# KiCad board 8851_HW-U1-VCU118_REV2-0_071417.kicad_pcb (continued)
## Routing (per net, layer and track width the routed paths; a pad name or vN(x,y) marks a point on that pad's centre or on a via; arc(x,y) is an arc through that point) (continued)
  05_SIG2 w0.258: v3(84.87,115.47) 85.11,115.47 85.6,115.97 88.31,115.97 v2(88.81,116.46)
  05_SIG2 w0.287: 97.17,107.91 97.17,105.85 99.5,103.52 99.5,101.2 98.75,100.45 98.75,96.77 99.55,95.97 99.55,91.07 97.18,88.7 97.18,88
  07_SIG3 w0.17: 83.12,122.64 83.12,122.57 83.18,122.51 83.18,120.39 83.3,120.27 83.45,120.27 83.97,120.8 84.15,120.8 84.28,120.67 84.28,120.55 84.03,120.31 84.03,120.09 84.23,119.89 84.23,119.76 84.05,119.58 83.84,119.58 83.64,119.79 83.51,119.79 83.39,119.66 83.39,119.18 83.46,119.11 84.29,119.11 84.53,118.87 84.53,118.45 84.61,118.37 84.84,118.37 84.95,118.26 84.95,118.01 84.86,117.92 84.64,117.92 84.56,117.84 84.56,117.53 84.63,117.45 84.86,117.45 84.93,117.39 84.93,117.16 84.83,117.06 84.61,117.06 84.53,116.97 84.53,116.52 85.37,115.68 85.37,115.26 85.66,114.97 88.99,114.97 89.24,115.23 89.24,115.76 89.1,115.91 88.53,115.91 88.31,116.12 88.31,119.77 88.49,119.95 88.95,119.95 89.3,119.6 89.3,116.95 v2(88.81,116.46) ; 79.55,122.85 79.55,122.56 79.44,122.45 79.2,122.45 79.08,122.33 79.08,121.9 79.21,121.77 79.44,121.77 79.55,121.67 79.55,121 79.29,120.74 78.87,120.74 78.55,120.42 78.55,119.95 78.35,119.75 75.9,119.75 75.61,119.47 75.61,118.76 v2(76.1,118.27)
  07_SIG3 w0.287: 79.55,122.85 79.55,123.2 79.77,123.42 82.68,123.42 83.12,122.98 83.12,122.64
RLD3_C3_72B_A3: length 161.6
  TOP w0.15: 95.21,71.2 v2(94.72,71.7) ; 75.61,112.86 v2(76.1,112.37) ; U141.F9 v2(94.71,116.46)
  TOP w0.275: v3(93.25,123.05) 93,123.3 93,123.64
  03_SIG1 w0.17: v2(94.71,116.46) 94.71,116.76 94.22,117.25 94.22,117.67 94.48,117.94 94.91,117.94 95.2,118.23 95.2,122.22 94.95,122.47 94.4,122.47 94.32,122.39 94.32,122.14 94.23,122.05 94.05,122.05 93.88,122.22 93.47,122.22 93.23,121.98 93.23,121.1 93.44,120.89 94.11,120.89 94.22,120.78 94.22,120.05 94.08,119.9 93.45,119.9 93.1,119.55 93.1,117.35 93.5,116.95 93.98,116.95 94.22,116.71 94.22,116.22 93.95,115.96 93.28,115.96 92.99,115.66 92.99,115.25 92.57,114.83 92.57,112.32 92.28,112.03 88.56,112.03 88.31,111.78 88.31,111.28 88.08,111.05 86.65,111.05 86.35,111.35 86.35,111.74 86.06,112.03 85.55,112.03 85.18,112.4 84.7,112.4 84.08,113.01 83.53,113.01 83.33,112.8 83.33,112.55 83.2,112.42 82.9,112.42 82.75,112.58 82.75,112.88 82.62,113.01 82.41,113.01 82.26,112.86 76.6,112.86 v2(76.1,112.37)
  05_SIG2 w0.17: 76.6,107.1 76.6,109.67 76.83,109.91 77.33,109.91 77.58,110.16 77.58,110.6 77.87,110.89 80.43,110.89 80.53,110.99 80.53,114.72 80.45,114.8 80.25,114.8 80.16,114.71 80.16,113.98 80.07,113.89 79.87,113.89 79.79,113.98 79.79,114.71 79.7,114.8 79.5,114.8 79.41,114.71 79.41,113.98 79.32,113.89 79.12,113.89 79.04,113.98 79.04,114.71 78.95,114.8 78.75,114.8 78.66,114.71 78.66,113.98 78.57,113.89 78.37,113.89 78.29,113.98 78.29,114.71 78.2,114.8 77.75,114.8 77.58,114.63 77.58,111.13 77.34,110.89 76.74,110.89 76.6,110.75 76.6,110.2 76.31,109.91 75.84,109.91 75.61,110.14 75.61,111.88 v2(76.1,112.37) ; v2(94.72,71.7) 94.72,71.9 94.23,72.4 94.23,72.93 94.47,73.17 94.89,73.17 95.21,73.5 95.21,74 95.39,74.17 95.92,74.17 96.22,74.47 96.22,74.9 96.5,75.17 96.9,75.17 97.2,75.47 97.2,75.88 97.47,76.15 97.85,76.15 98.17,76.47 98.17,76.88 98.41,77.11 103.91,77.11 104.1,76.91 104.1,76.35 104.35,76.1 104.88,76.1 105.05,76.27 105.05,77.77 104.73,78.1 98.3,78.1 98.15,78.25 98.15,78.77 97.85,79.08 97.38,79.08 97.18,79.27 97.18,79.93 97.05,80.06 96.42,80.06 96.2,80.29 96.2,80.85 95.95,81.1 95.45,81.1 95.21,81.33 95.21,81.84 95.02,82.03 94.57,82.03 94.23,82.37 94.23,82.77 93.99,83.01 93.36,83.01 93.25,83.13 93.25,86.7 93.8,87.25
  05_SIG2 w0.287: 76.6,107.1 76.6,107.09 76.85,106.84 84.42,106.84 84.64,106.62 84.64,106.4 84.42,106.18 84.42,105.96 84.64,105.75 84.86,105.75 85.08,105.96 85.3,105.96 85.52,105.74 85.52,105.52 85.31,105.32 85.31,105.1 85.84,104.57 86.06,104.57 86.27,104.77 86.49,104.77 87.06,104.2 87.65,104.2 87.8,104.05 87.8,103.28 87.96,103.12 88.27,103.12 88.42,103.28 88.42,104.05 88.58,104.2 95.01,104.2 95.78,103.44 95.78,102.33 94.17,100.72 93.7,100.72 93.53,100.55 93.53,99.23 94.39,98.37 94.39,96.49 94.94,95.94 94.94,90.68 93.92,89.66 93.92,87.38 93.8,87.25
  07_SIG3 w0.258: v3(93.25,123.05) 93.25,123.41 93.54,123.7 94.5,123.7 95.2,123 95.2,116.95 v2(94.71,116.46)
RLD3_C3_72B_A4: length 159.3
  TOP w0.15: 96.2,71.2 v2(95.71,71.7) ; U141.F10 v2(95.7,116.46) ; 75.61,111.88 v2(76.1,111.38)
  TOP w0.237: 100.34,113.73 99.86,113.73 v2(99.64,113.51)
  TOP w0.375: v2(123.26,85.48) U1.C30
  03_SIG1 w0.17: v2(95.7,116.46) 95.7,116.72 96.19,117.21 96.19,117.66 95.91,117.94 95.45,117.94 95.2,117.69 95.2,116.08 95.09,115.97 94.47,115.97 94.22,115.72 94.22,115.29 93.83,114.9 93.3,114.9 92.92,114.52 92.92,112.02 92.67,111.78 92.67,111.52 92.8,111.4 93.2,111.4 93.29,111.3 93.29,111.06 93.2,110.97 92.33,110.97 92.24,110.89 92.24,110.63 92.34,110.53 93,110.53 93.11,110.43 93.11,110.16 93.01,110.06 91.43,110.06 91.27,110.23 91.27,110.86 91.08,111.05 90.47,111.05 90.28,110.86 90.28,110.21 90.15,110.07 89.5,110.07 89.3,110.28 89.3,110.83 89.08,111.05 88.61,111.05 88.31,110.75 88.31,110.21 88.17,110.06 85.43,110.06 85.3,110.18 85.3,111.77 85.21,111.86 84.54,111.86 84.42,111.74 84.42,111.56 84.53,111.45 84.8,111.45 84.93,111.33 84.93,110.16 84.84,110.07 84.6,110.07 84.47,110.2 84.47,110.9 84.33,111.05 83.62,111.05 83.39,110.81 83.14,110.81 82.97,110.98 82.97,111.22 83.35,111.6 83.35,111.85 83.22,111.97 82.98,111.97 82.83,111.83 82.83,111.73 82.71,111.61 82.54,111.61 82.27,111.88 76.27,111.88 76.1,111.71 v2(76.1,111.38)
  05_SIG2 w0.17: 94.63,87.47 94.63,87.08 94.23,86.68 94.23,83.27 94.48,83.01 95.09,83.01 95.21,82.89 95.21,82.38 95.56,82.03 96.05,82.03 96.2,81.89 96.2,81.28 96.43,81.05 97.05,81.05 97.18,80.92 97.18,80.41 97.53,80.06 97.96,80.06 98.17,79.86 98.17,79.27 98.36,79.08 104.85,79.08 105.06,78.87 105.06,78.27 105.22,78.1 105.67,78.1 106.05,77.72 106.05,75.38 105.83,75.15 104.2,75.15 104.05,75.3 104.05,75.95 103.88,76.12 98.4,76.12 98.15,75.88 98.15,75.5 97.85,75.2 97.5,75.2 97.2,74.9 97.2,74.5 96.88,74.17 96.45,74.17 96.2,73.92 96.2,73.47 95.9,73.17 95.5,73.17 95.21,72.89 95.21,72.49 95.71,71.99 v2(95.71,71.7) ; v2(76.1,111.38) 76.6,111.88 76.6,114.24 76.67,114.32 77.12,114.32 77.21,114.4 77.21,114.68 77.12,114.77 76.67,114.77 76.6,114.84 76.6,115.65 76.76,115.81 81.36,115.81 81.52,115.66 81.52,114.72 81.62,114.62 82.07,114.62 82.16,114.53 82.16,114.31 82.07,114.22 81.62,114.22 81.52,114.12 81.52,110.18 81.25,109.91 77.82,109.91 77.58,109.67 77.58,108.1 77.74,107.94 83.04,107.94 83.6,107.38 85.67,107.38 86.3,106.75
  05_SIG2 w0.287: 86.3,106.75 86.85,106.2 86.85,105.46 87.42,104.88 95.29,104.88 96.8,103.38 96.8,102.33 94.73,100.26 94.73,99.52 95.05,99.2 95.05,97.08 97.35,94.78 97.35,94.18 97.19,94.03 96.53,94.03 96.4,94.16 96.4,94.44 96.25,94.6 95.89,94.6 95.6,94.31 95.6,91.75 95.75,91.6 96.1,91.6 96.33,91.83 96.33,93.27 96.46,93.41 97.19,93.41 97.35,93.25 97.35,91.85 94.63,89.13 94.63,87.47
  BOTTOM w0.237: v2(95.7,116.46) 95.7,116.2 96.19,115.71 96.19,114.99 97.11,114.08 98.77,114.08 99.34,113.51 v2(99.64,113.51)
RLD3_C3_72B_A5: length 156.2
  TOP w0.15: U141.F12 v2(97.67,116.46) ; 94.23,72.19 v2(93.74,72.68) ; 75.61,109.91 v2(76.11,109.41)
  05_SIG2 w0.17: 72.08,107.1 71.91,107.27 71.22,107.27 71.09,107.39 71.09,107.83 71.2,107.94 73.41,107.94 73.83,108.35 73.83,108.54 73.74,108.63 73.66,108.63 73.58,108.72 73.58,108.89 73.66,108.98 73.81,108.98 73.9,109.07 73.9,109.69 73.68,109.91 71.37,109.91 70.92,109.91 70.69,110.13 70.69,110.64 70.94,110.89 71.41,110.89 71.68,111.16 71.68,111.64 71.91,111.88 72.4,111.88 72.66,112.13 72.66,112.61 72.41,112.86 70.95,112.86 70.69,112.61 70.69,112.09 70.47,111.88 69.99,111.88 69.71,111.6 69.71,108.13 69.45,107.87 68.96,107.87 68.72,108.12 68.72,112.62 68.96,112.86 69.46,112.86 69.71,113.11 69.71,113.97 69.89,114.15 70.74,114.15 71.14,114.55 71.33,114.55 71.68,114.9 71.68,115.65 71.84,115.81 73.44,115.81 73.7,116.08 74.04,116.08 74.21,115.91 74.21,115.15 74.13,115.07 73.64,115.07 73.55,114.98 73.55,114.76 73.64,114.67 74.39,114.67 74.47,114.58 74.47,114.35 74.36,114.24 72.76,114.24 72.67,114.33 72.67,114.76 72.58,114.86 72.33,114.86 72.25,114.78 72.25,114.33 72.16,114.24 71.56,114.24 71.45,114.13 71.45,113.96 71.54,113.87 74.04,113.87 74.1,113.8 74.1,113.63 74.01,113.54 73.74,113.54 73.65,113.45 73.65,113.28 73.74,113.19 74.03,113.19 74.11,113.1 74.11,112.96 73.99,112.84 73.74,112.84 73.65,112.75 73.65,112.58 73.74,112.49 73.99,112.49 74.11,112.38 74.11,112.22 74.04,112.16 73.75,112.16 73.65,112.05 73.65,111.88 73.74,111.79 74.14,111.79 74.23,111.7 74.23,111.5 74.14,111.42 73.85,111.42 73.77,111.34 73.77,110.47 74.47,109.77 74.47,109.17 74.73,108.92 75.61,108.92 v2(76.11,109.41) 75.84,109.41 75.34,109.91 74.89,109.91 74.62,110.18 74.62,113.64 75.1,114.12 75.1,114.61 74.6,115.11 74.6,118.47 74.89,118.77 75.32,118.77 75.61,119.06 75.61,119.49 75.88,119.75 77.3,119.75 77.58,120.03 77.58,120.48 77.84,120.74 78.29,120.74 78.57,121.01 78.57,121.45 79.5,122.39 79.9,122.39 80.03,122.26 80.03,122.05 80.12,121.96 80.34,121.96 80.46,122.08 80.46,122.33 80.55,122.42 83.55,122.42 83.68,122.55 84.55,122.55 85.17,121.92 87.17,121.92 87.26,122.01 87.26,122.51 87.35,122.6 87.6,122.6 87.68,122.51 87.68,122.01 87.77,121.92 88.05,121.92 88.13,122.01 88.13,122.44 88.22,122.52 88.42,122.52 88.51,122.44 88.51,122.01 88.6,121.92 92.4,121.92 93.44,120.89 93.95,120.89 94.22,120.61 94.22,120.04 94.36,119.9 94.95,119.9 95.2,119.65 95.2,119 95.28,118.92 95.93,118.92 96.19,118.66 96.19,118.01 96.26,117.94 96.89,117.94 97.17,117.65 97.17,116.95 v2(97.67,116.46) ; 92.9,73.64 93.33,73.2 93.33,73.08 v2(93.74,72.68)
  05_SIG2 w0.287: 72.08,107.1 73.12,106.05 74.15,106.05 74.54,105.66 74.54,105.31 74.86,105 77.36,105 77.88,105.52 82,105.52 86.52,101 87.88,101 88.05,100.83 90.4,100.83 90.9,100.33 90.9,99.63 92.23,98.29 92.23,96.57 93.61,95.19 93.61,91.76 91.75,89.9 91.75,74.79 92.9,73.64
  BOTTOM w0.237: 100.34,118.86 99.9,118.86 99.84,118.92 98.3,118.92 98.16,118.78 98.16,117.24 97.67,116.74 v2(97.67,116.46)
RLD3_C3_72B_A6: length 156.3
  TOP w0.15: 74.63,118.77 v2(75.12,119.26) ; U141.G3 v2(87.82,115.47) ; 94.23,71.2 v2(93.74,71.7)
  TOP w0.237: R970.2 83.22,111.22 v2(83.89,110.55)
  05_SIG2 w0.17: v2(75.12,119.26) 74.88,119.26 74.03,118.4 74.03,117.3 73.52,116.8 72.87,116.8 72.66,117.01 72.66,117.54 72.42,117.78 71.89,117.78 71.68,118 71.68,121.67 71.4,121.95 69.98,121.95 69.71,121.68 69.71,120.94 69.5,120.74 67.91,120.74 67.83,120.65 ; 92.9,71.76 92.97,71.7 v2(93.74,71.7)
  05_SIG2 w0.258: v2(87.82,115.47) 87.33,114.98 87.33,113.3 87.04,113.01 86.63,113.01 86.35,112.73 86.35,112.32 86.06,112.03 85.36,112.03 v2(83.89,110.55)
  05_SIG2 w0.287: 92.9,71.76 90.42,74.24 90.42,90.9 90.85,91.32 90.85,96.05 89.6,97.3 89.6,98 88.66,98.94 86.71,98.94 86.07,99.58 84.67,99.58 84.33,99.92 84.33,100.42 83.43,101.32 82.93,101.32 82.53,101.72 82.53,102.63 81.61,103.54 77.68,103.54 77.54,103.67 74.27,103.67 73.81,104.12 73.1,104.12 71.39,105.84 68.46,105.84 67.59,104.96 65.77,104.96 64.1,106.64 64.1,110.2 65.46,111.56 65.46,112.9 65.19,113.17 64.2,113.17 64.05,113.32 64.05,113.63 64.2,113.79 65.54,113.79 65.7,113.94 65.7,114.25 65.54,114.41 64.2,114.41 64.05,114.56 64.05,114.87 64.2,115.03 65.57,115.03 65.72,115.18 65.72,115.49 65.57,115.65 64.2,115.65 64.05,115.8 64.05,116.11 64.2,116.27 66.5,116.27 66.62,116.39 66.62,116.73 66.47,116.89 64.2,116.89 64.05,117.04 64.05,117.42 64.2,117.58 66.44,117.58 66.6,117.73 66.6,118.04 66.44,118.2 64.2,118.2 64.05,118.35 64.05,118.75 64.3,119 66.18,119 67.83,120.65
  14_SIG4 w0.087: v2(87.82,115.47) 87.82,115.79 87.64,115.96 86.64,115.96 86.35,116.26 86.35,116.66 86.05,116.96 85.59,116.96 85.2,116.57 85.07,116.57 84.83,116.81 84.83,117.21 84.93,117.32 85.27,117.32 85.38,117.42 85.38,117.58 85.27,117.68 84.93,117.68 84.83,117.79 84.83,118.29 83.95,119.16 82.23,119.16 81.64,119.75 78.7,119.75 78.57,119.62 78.57,118.87 78.46,118.77 77.69,118.77 77.57,118.89 77.57,119.61 77.44,119.74 76.8,119.74 76.6,119.54 76.6,118.08 76.31,117.79 75.91,117.79 75.61,118.08 75.61,119.61 75.47,119.75 74.34,119.75 73.91,119.32 73.91,119.2 74,119.11 74.37,119.11 74.46,119.02 74.46,118.85 74.37,118.76 74,118.76 73.91,118.67 73.91,118.05 73.64,117.78 72.92,117.78 72.66,117.52 72.66,114.48 72.78,114.36 72.94,114.36 73.03,114.44 73.03,114.74 73.12,114.82 73.29,114.82 73.38,114.74 73.38,114.44 73.47,114.36 73.73,114.36 74.23,114.86 74.23,115.01 74.15,115.09 73.74,115.09 73.65,115.18 73.65,116.94 74.16,117.45 74.16,117.83 74.51,118.18 74.51,118.4 75.12,119.01 v2(75.12,119.26)
RLD3_C3_72B_A7: length 150.7
  TOP w0.15: 75.61,120.74 v2(76.1,121.23) ; 94.23,74.16 v2(93.74,74.65) ; U141.F1 v2(85.85,116.46)
  TOP w0.237: v2(85.85,116.46) 84.64,116.46 84.11,115.93 83.59,115.93 R971.2
  07_SIG3 w0.17: 92.9,75.3 93.55,74.65 v2(93.74,74.65) ; 78.34,122.85 78.57,122.63 78.57,120.94 78.36,120.73 76.87,120.73 76.37,121.23 v2(76.1,121.23) 76.1,120.94 75.61,120.45 75.61,120.04 75.33,119.75 74.92,119.75 74.63,119.46 74.63,119 73.41,117.78 72.92,117.78 72.66,118.04 72.66,120.52 72.45,120.74 71.95,120.74 71.68,121.01 71.68,121.63 71.55,121.75 67.83,121.75 ; v2(85.85,116.46) 85.6,116.2 85.38,116.2 85.1,116.47 85.1,116.75 85.35,117 86.22,117 86.37,117.15 86.37,117.75 86.25,117.88 85.55,117.88 85.36,118.06 85.36,119.93 85.21,120.08 84.84,120.08 84.69,120.23 84.69,120.44 84.84,120.59 85.01,120.59 85.16,120.74 85.16,122.46 85.02,122.6 84.75,122.6 84.62,122.47 84.62,121.35 84.47,121.2 83.75,121.2 83.55,121.4 83.55,122.21 83.81,122.48 83.81,122.64
  07_SIG3 w0.287: 67.83,121.75 65.07,121.75 62.81,119.5 62.81,115.52 62.38,115.09 62.38,113.93 62.09,113.64 62.09,111.41 61.45,110.77 61.45,108.72 61.94,108.24 61.94,105.24 63.96,103.21 65.94,103.21 66.38,102.77 71.03,102.77 71.18,102.92 74.66,102.92 74.91,102.67 74.91,100.14 76.41,98.65 76.41,98.25 77.01,97.65 80.01,97.65 80.42,97.23 80.42,94.56 79.94,94.08 73.03,94.08 72.58,93.62 72.58,87.27 73.7,86.15 80.67,86.15 81.22,86.7 84.8,86.7 88.05,83.45 88.05,80.15 92.9,75.3 ; 83.81,122.64 83.81,123.28 83.26,123.83 83.26,124.58 83.04,124.8 82.71,124.8 82.12,124.22 81.97,124.22 81.76,124.44 81.76,125.02 81.59,125.19 81.35,125.19 81.19,125.03 81.19,124.28 81.01,124.11 80.69,124.11 80.54,124.25 80.54,125.05 80.38,125.21 80.07,125.21 79.92,125.06 79.92,124.25 79.77,124.11 79.45,124.11 79.3,124.25 79.3,125.14 79.15,125.3 78.84,125.3 78.68,125.14 78.68,124.25 78.53,124.1 78.22,124.1 78.06,124.25 78.06,125.14 77.91,125.3 77.6,125.3 77.44,125.14 77.44,124.25 77.29,124.1 76.98,124.1 76.82,124.25 76.82,125.14 76.67,125.3 76.35,125.3 76.1,125.05 76.1,123.55 76.34,123.31 77.88,123.31 78.34,122.85
RLD3_C3_72B_A8: length 152
  TOP w0.15: 74.63,110.89 v2(75.12,110.4) ; U141.G11 v2(96.68,115.47) ; 95.21,74.16 v2(94.72,74.65)
  TOP w0.237: 100.34,115.48 99.64,115.48 v2(99.64,115.48)
  03_SIG1 w0.17: v2(75.12,110.4) 75.41,110.4 75.9,109.91 76.31,109.91 76.6,109.62 76.6,109.21 76.89,108.92 82.8,108.92 82.89,108.84 82.89,107.41 83.16,107.14 83.4,107.14 83.57,107.31 83.57,107.75 83.74,107.92 83.98,107.92 84.15,107.75 84.15,107.29 84.34,107.1 86.1,107.1 86.21,107.21 86.21,107.59 86.29,107.67 86.87,107.67 86.96,107.59 86.96,106.97 87.13,106.8 91.68,106.8 92.06,107.18 92.06,107.7 92.18,107.81 92.35,107.81 92.44,107.72 92.44,107.21 92.53,107.12 92.75,107.12 92.84,107.21 92.84,108.08 92.94,108.18 93.14,108.18 93.21,108.11 93.21,107.21 93.32,107.1 94.24,107.1 94.35,107.21 94.35,107.99 94.43,108.08 94.68,108.08 94.77,107.99 94.77,107.21 94.86,107.12 95.14,107.12 95.22,107.19 95.22,107.59 95.3,107.68 95.79,107.68 95.88,107.76 95.88,107.99 95.79,108.08 95.3,108.08 95.2,108.17 95.2,108.8 95.48,109.08 95.93,109.08 96.19,109.34 96.19,111.76 95.92,112.03 95.42,112.03 95.21,112.25 95.21,114.08 95.62,114.5 96.18,114.5 96.68,115.01 v2(96.68,115.47)
  05_SIG2 w0.258: v2(99.64,115.48) 99.13,114.97 97.18,114.97 v2(96.68,115.47)
  07_SIG3 w0.17: 92.9,77.2 93.27,76.83 93.27,76.4 93.53,76.14 93.91,76.14 94.23,75.82 94.23,75.37 94.72,74.88 v2(94.72,74.65) ; 67.83,108.89 67.86,108.92 73.45,108.92 73.85,109.33 73.85,109.47 74.29,109.92 74.64,109.92 v2(75.12,110.4)
  07_SIG3 w0.287: 67.83,108.89 67.59,108.66 65.04,108.66 64.72,108.97 64.72,109.82 64.53,110.02 62.99,110.02 62.79,109.81 62.79,109.37 63.48,108.67 63.48,108.32 63.78,108.02 64.82,108.02 64.97,107.87 64.97,107.56 64.82,107.4 63.45,107.4 63.3,107.25 63.3,106.94 63.45,106.78 64.82,106.78 64.97,106.63 64.97,106.32 64.82,106.16 64.09,106.16 63.81,105.88 63.81,105.47 64.35,104.92 66.7,104.92 67.4,104.22 68.65,104.22 69.55,105.12 70.62,105.12 71.47,104.27 75.3,104.27 75.8,103.77 76.9,103.77 77.75,102.92 77.75,102.9 77.8,102.85 77.8,101.47 77.5,101.17 76.7,101.17 76.5,100.97 76.5,100.5 77.57,99.42 80.1,99.42 81.8,97.73 81.8,94.05 80.42,92.67 80.42,89.72 80.12,89.42 73.8,89.42 73.6,89.22 73.6,88.17 73.8,87.98 74.36,87.98 74.52,88.13 74.52,88.72 74.67,88.88 74.98,88.88 75.14,88.72 75.14,88.06 75.29,87.91 75.6,87.91 75.76,88.06 75.76,88.72 75.91,88.88 76.22,88.88 76.38,88.72 76.38,88.06 76.53,87.91 76.84,87.91 77,88.06 77,88.72 77.15,88.88 77.46,88.88 77.62,88.72 77.62,88.06 77.77,87.91 78.08,87.91 78.24,88.06 78.24,88.72 78.39,88.88 78.7,88.88 78.86,88.72 78.86,88.13 79.01,87.98 79.32,87.98 79.48,88.13 79.48,88.72 79.63,88.88 79.94,88.88 80.1,88.72 80.1,88.13 80.25,87.98 80.41,87.98 81.42,89 84.7,89 89.53,84.17 89.53,80.58 92.9,77.2
RLD3_C3_72B_A9: length 152.9
  TOP w0.15: 95.21,73.17 v2(94.72,73.66) ; U141.F13 v2(98.65,116.46) ; 75.61,108.92 v2(76.11,108.43)
  03_SIG1 w0.17: v2(76.11,108.43) 76.11,108.72 75.61,109.21 75.61,109.69 75.39,109.91 74.86,109.91 74.62,109.67 74.62,107.11 74.63,107.1 ; v2(98.65,116.46) 98.16,115.97 98.16,112.32 98.44,112.03 98.87,112.03 99.14,111.76 99.14,109.34 98.88,109.08 98.42,109.08 98.16,108.81 98.16,107.16 97.75,106.75
  03_SIG1 w0.287: 97.75,106.75 94.42,103.42 84.08,103.42 81.36,106.14 78.22,106.14 77.46,106.89 74.84,106.89 74.63,107.1
  05_SIG2 w0.17: v2(76.11,108.43) 76.24,108.3 76.24,108.07 76.11,107.94 74.7,107.94 74.63,108.02 74.63,108.42 74.5,108.55 74.31,108.55 74.18,108.42 74.18,108.04 74.09,107.95 73.92,107.95 73.65,107.67 73.65,107.22 73.78,107.1 ; v2(94.72,73.66) 94.72,73.97 95.25,74.5 95.25,74.97 95.08,75.15 93.05,75.15 92.9,75.3 92.9,76 93.05,76.15 96.9,76.15 97.21,76.46 97.21,76.89 97.42,77.1 97.85,77.1 98.15,77.4 98.15,77.83 97.88,78.1 97.41,78.1 97.21,78.3 97.21,78.71 96.8,79.12 96.35,79.12 96.17,79.3 96.17,79.77 95.9,80.05 95.53,80.05 95.17,80.4 95.17,80.85 94.97,81.05 94.42,81.05 94.25,80.88 94.25,80.25 94.4,80.1 94.88,80.1 95.22,79.75 95.22,79.3 95.06,79.12 94.47,79.12 94.25,78.9 94.25,78.3 94.47,78.08 96.92,78.08 97.15,77.85 97.15,77.42 96.85,77.12 92.9,77.12
  05_SIG2 w0.287: 73.78,107.1 74.05,106.83 75.03,106.83 75.17,106.67 75.17,105.93 75.44,105.67 75.92,105.67 76.44,106.18 82.28,106.18 83.04,105.41 83.4,105.41 83.53,105.54 83.89,105.54 84.14,105.29 84.14,104.93 84.01,104.8 84.01,104.44 84.26,104.19 84.62,104.19 84.75,104.32 85.11,104.32 85.36,104.07 85.36,103.71 85.23,103.58 85.23,103.22 85.65,102.8 86.12,102.8 86.3,102.97 86.3,103.1 86.5,103.3 86.78,103.3 87.03,103.05 87.03,101.84 87.19,101.68 87.48,101.68 87.65,101.84 87.65,102.27 87.8,102.42 88.24,102.42 88.39,102.27 88.39,101.68 88.55,101.52 88.93,101.52 89.11,101.7 89.11,103.16 89.4,103.45 89.83,103.45 90.05,103.22 90.05,102.03 90.29,101.78 90.54,101.78 90.83,102.07 90.83,103.15 91.12,103.45 91.51,103.45 91.71,103.25 91.71,102.77 91.98,102.5 92.39,102.5 92.59,102.7 92.59,103.25 92.79,103.45 93.17,103.45 93.38,103.25 93.38,102.67 93.6,102.45 93.92,102.45 94.15,102.67 94.15,103.15 94.45,103.45 94.78,103.45 95.05,103.17 95.05,102.65 93.95,101.55 92.3,101.55 92.17,101.67 91.32,101.67 91.2,101.55 91.2,101 91.38,100.83 92.03,100.83 92.2,100.65 92.2,99.57 93.54,98.23 93.54,96.36 94.28,95.62 94.28,91.3 92.41,89.44 92.41,88.97 92.66,88.72 93.02,88.72 93.28,88.47 93.28,88.11 93.02,87.86 92.66,87.86 92.41,87.61 92.41,82.53 92.66,82.28 92.97,82.28 93.22,82.03 93.22,81.67 92.97,81.42 92.66,81.42 92.41,81.16 92.41,80.81 92.66,80.55 92.97,80.55 93.22,80.3 93.22,79.94 92.97,79.69 92.66,79.69 92.41,79.44 92.41,79.08 92.66,78.83 92.97,78.83 93.22,78.58 93.22,78.22 92.97,77.97 92.66,77.97 92.41,77.71 92.41,77.34 92.62,77.12 92.9,77.12
  BOTTOM w0.237: 100.34,115.48 100.31,115.48 99.83,115.96 99.16,115.96 v2(98.65,116.46)
RLD3_C3_72B_A10: length 152.8
  TOP w0.15: 73.65,108.92 v2(73.15,108.43) ; 95.21,72.19 v2(94.72,72.68)
  TOP w0.237: 100.34,112.86 100.07,112.86 99.88,113.05 99.11,113.05 v2(98.65,113.51)
  TOP w0.275: U141.H13 v2(98.65,113.51)
  03_SIG1 w0.17: v2(98.65,113.51) 98.9,113.51 99.39,113.02 99.86,113.02 100.17,112.7 100.17,109.39 99.86,109.08 99.39,109.08 99.14,108.83 99.14,106.75 ; v2(73.15,108.43) 72.09,107.36 72.09,107.1
  03_SIG1 w0.287: 72.09,107.1 72.09,106.64 72.51,106.23 77.19,106.23 77.94,105.47 81.09,105.47 83.89,102.67 96.1,102.67 99.14,105.72 99.14,106.75
  05_SIG2 w0.17: v2(94.72,72.68) 94.72,72.48 95.21,71.99 95.21,71.39 95.03,71.2 94.37,71.2 94.23,71.35 94.23,71.92 93.96,72.19 93.41,72.19 92.9,72.7 ; 67.83,113.92 68.72,114.82 68.72,119.5 68.97,119.75 70.5,119.75 70.69,119.56 70.69,117.53 70.69,117.07 70.42,116.8 69.87,116.8 69.71,116.64 69.71,115.99 69.89,115.81 70.48,115.81 70.69,115.6 70.69,115.12 70.39,114.81 69.69,114.81 68.72,113.85 68.72,113.15 68.44,112.86 67.83,112.86 ; v2(73.15,108.43) 73.15,108.83 73.06,108.92 70.9,108.92 70.69,108.72 70.69,107.42 70.39,107.11 67.84,107.11 67.83,107.13
  05_SIG2 w0.287: 67.83,113.92 66.15,112.25 66.15,111.12 65.04,110.01 65.04,106.63 66.05,105.62 67.23,105.62 68.11,106.5 71.7,106.5 73.41,104.79 74.09,104.79 74.54,104.33 77.82,104.33 77.95,104.2 82.38,104.2 86.98,99.6 89.31,99.6 90.87,98.03 90.87,96.99 92.95,94.91 92.95,92.17 91.09,90.31 91.09,74.51 92.9,72.7 ; 67.83,107.13 67.61,107.34 67.61,107.75 67.33,108.02 66.71,108.02 66.43,107.74 66.43,107.15 66.18,106.89 65.96,106.89 65.75,107.1 65.75,109.58 66.82,110.65 67.05,110.65 67.35,110.95 67.35,112.39 67.83,112.86
RLD3_C3_72B_A11: length 150.4
  TOP w0.15: 96.2,74.16 v2(95.71,74.65) ; 77.58,120.74 v2(78.07,121.23) ; U141.D1 v2(85.85,118.43)
  TOP w0.237: v2(85.85,118.43) 85.45,118.02 83.47,118.02 R955.2
  TOP w0.375: v2(126.22,85.48) U1.C33
  07_SIG3 w0.17: v2(78.07,121.23) 78.07,122.35 77.85,122.58 77.53,122.58 77.45,122.5 77.45,121.77 77.38,121.71 77.14,121.71 77,121.85 77,122.62 76.86,122.76 74.89,122.76 74.8,122.85 ; v2(85.85,118.43) 86.27,118.43 86.35,118.51 86.35,121.05 86.28,121.12 85.77,121.12 85.57,121.32 85.57,121.97 85.69,122.09 85.88,122.09 86.15,121.83 86.84,121.83 86.93,121.91 86.93,122.15 86.8,122.27 86.47,122.27 86.28,122.47 86.28,122.64
  07_SIG3 w0.287: 74.8,122.85 74.75,122.9 74.75,123.38 74.9,123.52 75.34,123.52 75.43,123.62 75.43,124.17 75.22,124.38 74.95,124.38 74.75,124.58 74.75,124.88 75.9,126.02 77.45,126.02 77.69,126.27 77.69,126.99 77.88,127.17 78.28,127.17 78.53,126.92 78.53,126.38 78.88,126.02 81.08,126.02 81.41,126.36 81.41,127.09 81.67,127.35 81.99,127.35 82.3,127.04 82.3,126 82.53,125.77 83.35,125.77 83.85,125.27 86.83,125.27 87.03,125.08 87.03,123.83 86.83,123.62 86.55,123.62 86.16,124.01 86.16,124.24 85.85,124.55 84.33,124.55 84.17,124.4 84.17,123.9 84.46,123.61 85.61,123.61 86.28,122.95 86.28,122.64
  18_SIG6 w0.087: 92.17,106.75 92.08,106.84 92.08,107.94 92.28,108.14 92.28,110.99 92.51,111.22 92.51,111.71 93.18,112.37 93.18,118.11 92.37,118.92 91.55,118.92 91.27,119.2 91.27,119.64 91.01,119.9 89.51,119.9 89.28,120.13 89.28,120.62 89.03,120.87 88.6,120.87 88.31,121.16 88.31,121.61 88.03,121.89 85.86,121.89 85.1,122.64 ; 97.54,89.52 97.54,89.33 99.15,87.72 99.15,83.3 98.86,83.01 98.45,83.01 98.17,82.73 98.17,82.32 97.88,82.03 97.47,82.03 97.18,81.74 97.18,81.33 96.89,81.05 96.49,81.05 96.2,80.76 96.2,80.35 95.91,80.06 95.5,80.06 95.21,79.77 95.21,79.37 94.93,79.08 94.52,79.08 94.23,78.79 94.23,77.4 94.52,77.11 94.93,77.11 95.21,76.82 95.21,76.41 95.5,76.12 95.91,76.12 96.2,75.84 96.2,75.43 95.71,74.94 v2(95.71,74.65) ; 70.37,122.85 71.38,121.84 73.5,121.84 74.61,120.74 77.58,120.74 v2(78.07,121.23)
  18_SIG6 w0.155: 70.37,122.85 70.12,123.1 70.12,123.48 69.97,123.64 69.35,123.64 69.2,123.79 69.2,124.26 69.35,124.41 69.97,124.41 70.12,124.57 70.12,125.03 69.97,125.19 69.35,125.19 69.2,125.34 69.2,125.81 69.35,125.96 69.77,125.96 69.92,126.12 69.92,128.2 71.61,129.89 77.76,129.89 78.68,128.96 78.68,128.38 78.4,128.1 78.4,126.46 78.94,125.92 79.62,125.92 81.05,124.49 83.26,124.49 85.1,122.64 ; 92.17,106.75 92.83,106.09 93.41,106.09 93.85,105.65 93.85,104.91 94.71,104.05 96.3,104.05 97.55,102.8 97.55,101.31 97.32,101.08 97.32,99.51 97.07,99.26 97,99.26 96.73,98.99 96.73,98.64 96.97,98.4 97.07,98.4 97.32,98.15 97.32,93.38 98.75,91.95 98.75,90.9 97.54,89.69 97.54,89.52
